# Allegro board rt1064_som_wifi.brd (continued)
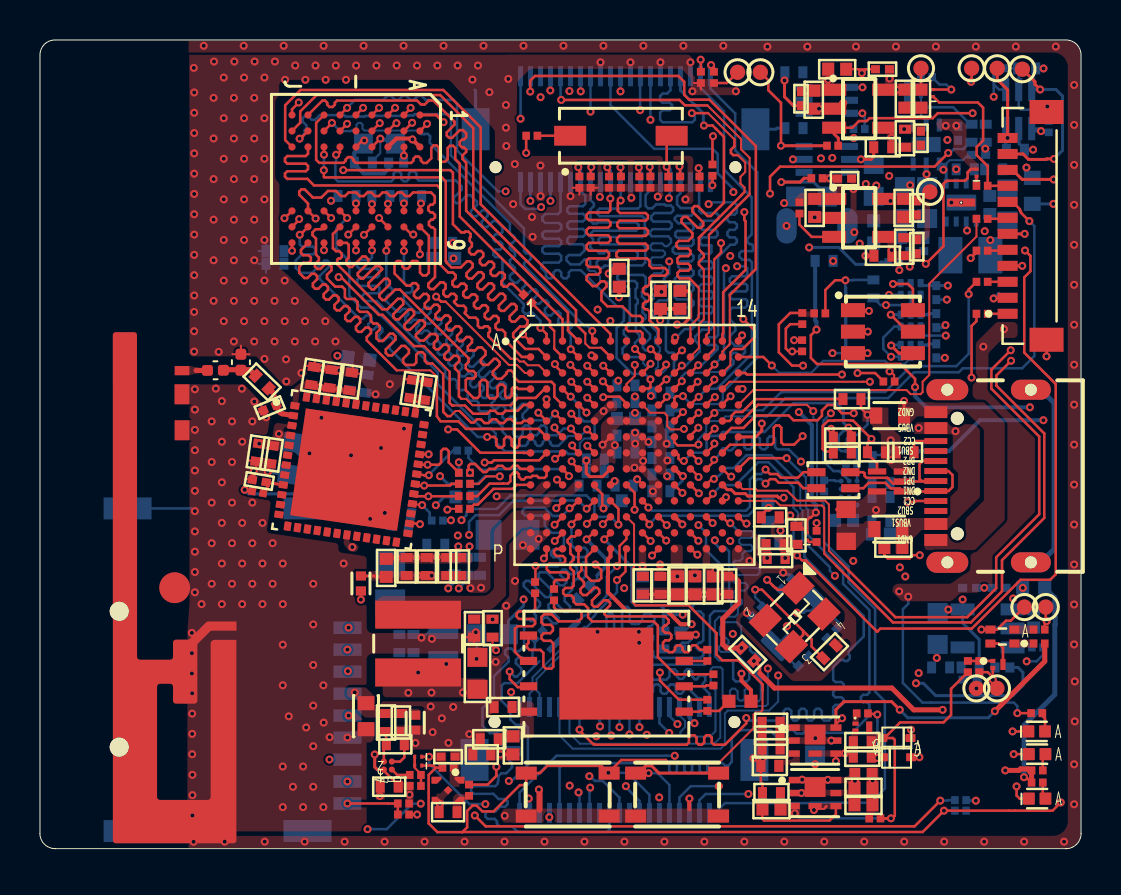
[diagram p0: board, top side]
## Footprints (pads in the part's own frame, mm; a bottom-side part is the same pattern mirrored in y, then rotated) (continued)
  rect 1.1x2.4 smd: SH1(-7.6,0.42) SH2(-7.6,9.42) SH3(8.55,9.42) SH4(8.55,0.42)
GCT_USB4105-GF-A
  round 0.65 hole 0.65 unplated: (-2.89,3.68) (2.89,3.68)
  rect 0.6x1.15 smd: 1(-3.2,4.755) 2(-2.4,4.755) 11(2.4,4.755) 12(3.2,4.755)
  rect 0.3x1.15 smd: 3(-1.75,4.755) 4(-1.25,4.755) 5(-0.75,4.755) 6(-0.25,4.755) 7(0.25,4.755) 8(0.75,4.755) 9(1.25,4.755) 10(1.75,4.755)
  oval 1x2 hole 0.6: G1(-4.32,0) G2(4.32,0)
  oval 1.05x2.1 hole 0.6: G3(-4.32,4.18) G4(4.32,4.18)
HRS_DF1730-40DS-05V57
  round 0.6 hole 0.6 unplated: (-6,-1.9) (6,-1.9)
  rect 0.25x1 smd: 1(-4.75,-2.65) 2(-4.75,2.65) 3(-4.25,-2.65) 4(-4.25,2.65) 5(-3.75,-2.65) 6(-3.75,2.65) 7(-3.25,-2.65) 8(-3.25,2.65) 9(-2.75,-2.65) 10(-2.75,2.65) 11(-2.25,-2.65) 12(-2.25,2.65) 13(-1.75,-2.65) 14(-1.75,2.65) 15(-1.25,-2.65) 16(-1.25,2.65) 17(-0.75,-2.65) 18(-0.75,2.65) 19(-0.25,-2.65) 20(-0.25,2.65) 21(0.25,-2.65) 22(0.25,2.65) 23(0.75,-2.65) 24(0.75,2.65) 25(1.25,-2.65) 26(1.25,2.65) 27(1.75,-2.65) 28(1.75,2.65) 29(2.25,-2.65) 30(2.25,2.65) 31(2.75,-2.65) 32(2.75,2.65) 33(3.25,-2.65) 34(3.25,2.65) 35(3.75,-2.65) 36(3.75,2.65) 37(4.25,-2.65) 38(4.25,2.65) 39(4.75,-2.65) 40(4.75,2.65)
  rect 1.4x2.1 smd: S1(-7,0) S2(7,0)
IND4_CHOKE_0805
  rect 0.914x0.406 smd: 1(-0.85,0.4) 2(0.85,0.4) 3(0.85,-0.4) 4(-0.85,-0.4)
IND_18A-101M
  rect 1.397x4.293 smd: 1(-1.448,0) 2(1.448,0)
IND_1608
  rect 0.61x0.813 smd: 1(-0.7,0) 2(0.7,0)
INDC2016X100N
  rect 1.2x1.82 smd: 1(-1,0) 2(1,0)
IS25WP064A-JKLE_ISI
  rect 0.864x0.406 smd: 1(-3.898,1.905) 2(-3.898,0.635) 3(-3.898,-0.635) 4(-3.898,-1.905) 5(3.898,-1.905) 6(3.898,-0.635) 7(3.898,0.635) 8(3.898,1.905)
  rect 4.699x4.597 smd: 9(0,0)
JST_SM12B-SURS-TFLFSN
  rect 0.5x1 smd: 1(-4.4,0) 2(-3.6,0) 3(-2.8,0) 4(-2,0) 5(-1.2,0) 6(-0.4,0) 7(0.4,0) 8(1.2,0) 9(2,0) 10(2.8,0) 11(3.6,0) 12(4.4,0)
  rect 1.2x1.7 smd: S1(-5.7,-1.95) S2(5.7,-1.95)
LED_XZVGMDK53W-9
  rect 0.5x0.4 smd: 1(0.6,-0.35) 2(-0.6,-0.35) 3(0.6,0.35) 4(-0.6,0.35)
LEDC1005X35N_GRN
  custom 0.59x0.61 smd: A(0.415,0) C(-0.415,0)
MICROFET6_2X2_ONS
  rect 0.55x0.32 smd: 1(-1.041,0.65) 2(-1.041,0) 3(-1.041,-0.65) 4(1.041,-0.65) 5(1.041,0) 6(1.041,0.65)
  rect 1.041x0.991 smd: 7(0,0.3)
  rect 0.66x0.305 smd: 8(0,-0.65)
MMBT3906LP
  rect 0.305x0.203 smd: 1(-0.343,0.175) 2(-0.343,-0.175)
  rect 0.305x0.559 smd: 3(0.343,0)
PQFN50P700X700X104-49N
  custom 0.45x0.35 smd: 1(-3.265,2.75) 2(-3.265,2.25) 3(-3.265,1.75) 4(-3.265,1.25) 5(-3.265,0.75) 6(-3.265,0.25) 7(-3.265,-0.25) 8(-3.265,-0.75) 9(-3.265,-1.25) 10(-3.265,-1.75) 11(-3.265,-2.25) 12(-3.265,-2.75) 25(3.265,-2.75) 26(3.265,-2.25) 27(3.265,-1.75) 28(3.265,-1.25) 29(3.265,-0.75) 30(3.265,-0.25) 31(3.265,0.25) 32(3.265,0.75) 33(3.265,1.25) 34(3.265,1.75) 35(3.265,2.25) 36(3.265,2.75)
  custom 0.35x0.45 smd: 13(-2.75,-3.265) 14(-2.25,-3.265) 15(-1.75,-3.265) 16(-1.25,-3.265) 17(-0.75,-3.265) 18(-0.25,-3.265) 19(0.25,-3.265) 20(0.75,-3.265) 21(1.25,-3.265) 22(1.75,-3.265) 23(2.25,-3.265) 24(2.75,-3.265) 37(2.75,3.265) 38(2.25,3.265) 39(1.75,3.265) 40(1.25,3.265) 41(0.75,3.265) 42(0.25,3.265) 43(-0.25,3.265) 44(-0.75,3.265) 45(-1.25,3.265) 46(-1.75,3.265) 47(-2.25,3.265) 48(-2.75,3.265)
  rect 5.4x5.4 smd: 49(0,0)
PSON50P145X100X60-6N
  custom 0.42x0.3 smd: 1(-0.29,0.5)
  custom 0.41x0.3 smd: 2(-0.295,0) 3(-0.295,-0.5) 4(0.295,-0.5) 5(0.295,0) 6(0.295,0.5)
R0201
  rect 0.38x0.4 smd: 1(-0.281,0) 2(0.281,0)
R0402
  rect 0.45x0.6 smd: 1(-0.451,0) 2(0.451,0)
R0402_SMALL
  rect 0.45x0.6 smd: 1(-0.451,0) 2(0.451,0)
R0402N
  rect 0.656x0.656 smd: 1(-0.553,0) 2(0.553,0)
SODFL1608X65N
  custom 0.5x0.4 smd: A(0.73,0) C(-0.68,0)
SOT95P282X145-5N
  rect 1.2x0.6 smd: 1(-1.25,0.95) 2(-1.25,0) 3(-1.25,-0.95) 4(1.25,-0.95) 5(1.25,0.95)
SW_CHS-01TA_NDC
  rect 0.991x1.6 smd: 1(0,2.54) 2(0,-2.54)
TDFN-6_MCH
  rect 0.66x0.254 smd: 1(-0.978,0.65) 2(-0.978,0) 3(-0.978,-0.65) 4(0.978,-0.65) 5(0.978,0) 6(0.978,0.65)
  rect 0.762x1.448 smd: 7(0,0)
TI_IFA_ANTENNA
  custom 0.461x0.736 smd: 1(10.869,0.358)
  rect 1x0.74 smd: 2(7.885,0.359) 3(9.685,0.363)
  custom 25.58x6.186 smd: 4(0.003,0.729)
TLV62084DSGR
  rect 0.5x0.25 smd: 1(-0.95,0.75) 2(-0.95,0.25) 3(-0.95,-0.25) 4(-0.95,-0.75) 5(0.95,-0.75) 6(0.95,-0.25) 7(0.95,0.25) 8(0.95,0.75)
  custom 0.4x1.4 hole 0.2: 9(0,0)
TPAD_030
  round 0.762 smd: 1(0,0)
VFBGA54_8X8
  round 0.356 smd: A1(-3.2,3.2) A2(-2.4,3.2) A3(-1.6,3.2) A7(1.6,3.2) A8(2.4,3.2) A9(3.2,3.2) B1(-3.2,2.4) B2(-2.4,2.4) B3(-1.6,2.4) B7(1.6,2.4) B8(2.4,2.4) B9(3.2,2.4) C1(-3.2,1.6) C2(-2.4,1.6) C3(-1.6,1.6) C7(1.6,1.6) C8(2.4,1.6) C9(3.2,1.6) D1(-3.2,0.8) D2(-2.4,0.8) D3(-1.6,0.8) D7(1.6,0.8) D8(2.4,0.8) D9(3.2,0.8) E1(-3.2,0) E2(-2.4,0) E3(-1.6,0) E7(1.6,0) E8(2.4,0) E9(3.2,0) F1(-3.2,-0.8) F2(-2.4,-0.8) F3(-1.6,-0.8) F7(1.6,-0.8) F8(2.4,-0.8) F9(3.2,-0.8) G1(-3.2,-1.6) G2(-2.4,-1.6) G3(-1.6,-1.6) G7(1.6,-1.6) G8(2.4,-1.6) G9(3.2,-1.6) H1(-3.2,-2.4) H2(-2.4,-2.4) H3(-1.6,-2.4) H7(1.6,-2.4) H8(2.4,-2.4) H9(3.2,-2.4) J1(-3.2,-3.2) J2(-2.4,-3.2) J3(-1.6,-3.2) J7(1.6,-3.2) J8(2.4,-3.2) J9(3.2,-3.2)
WLCSP12_0P4_1P38X1P68MM_SMDP
  round 0.254 smd: A1(-0.4,0.6) A2(0,0.6) A3(0.4,0.6) B1(-0.4,0.2) B2(0,0.2) B3(0.4,0.2) C1(-0.4,-0.2) C2(0,-0.2) C3(0.4,-0.2) D1(-0.4,-0.6) D2(0,-0.6) D3(0.4,-0.6)
WURTH_150353M153300
  rect 1.2x0.7 smd: 1(-1.5,1.075) 2(1.5,1.075) 3(-1.5,0) 4(1.5,0) 5(-1.5,-1.075) 6(1.5,-1.075)
WURTH_434133025816
  rect 1.05x0.65 smd: 1(-2.075,1.075) 2(2.075,1.075) 3(-2.075,-1.075) 4(2.075,-1.075)
X2_SMD_3_2X1_5MM
  rrect 0.762x1.524 smd: 1(-1.524,0) 2(1.524,0)
X4-SMD-3_2X2_5X1_0MM
  rect 1.321x1.067 smd: 1(-1.15,-0.925) 2(1.15,-0.925) 3(1.15,0.925) 4(-1.15,0.925)

## Nets
5V_EXT: C5.1 C6.1 C8.1 C118.1 Q2.1 Q2.2 Q2.5 Q2.6 Q2.7 R122.1 U17.1
5V_SYS: C27.1 C28.1 C116.1 C117.1 C119.1 C120.1 C125.2 C250.1 R4.1 R36.1 R82.1 R123.1 TP32.1 U4.1 U17.6(VOUT) U18.6(VOUT) U24.5(VCC)
5V_USB_HOST: C109.1 U3.P6
5V_USB_OTG: C101.1 C108.1 C122.1 C123.1 C245.1 F3.2 R115.1 U3.N6 U11.C2 U11.D1 U11.D2 U17.3 U18.1 U19.5(VCC)
5V_VIN: C22.1 C23.1 R27.2 R28.1 U26.1
GND: ANT1.2 ANT1.3(GND2) C2.2 C5.2 C6.2 C9.2 C14.2 C15.2 C16.2 C19.2 C22.2 C23.2 C24.2 C25.2 C27.2 C28.2 C29.2 C30.2 C34.2 C35.2 C36.2 C37.2 C38.2 C39.2 C40.2 C41.2 C42.2 C43.2 C44.2 C45.2 C46.2 C47.2 C48.2 C49.2 C50.2 C51.2 C52.2 C53.2 C54.2 C55.2 C56.2 C57.2 C58.2 C59.2 C60.2 C61.2 C62.2 C63.2 C64.2 C65.2 C66.2 C67.2 C68.2 C69.2 C70.2 C71.2 C72.2 C73.2 C74.2 C75.2 C76.2 C77.2 C78.2 C79.2 C80.2 C81.2 C82.2 C83.2 C84.2 C85.2 C86.2 C87.2 C88.2 C89.2 C90.2 C91.2 C92.2 C93.2 C94.2 C95.2 C96.2 C97.2 C99.2 C100.2 C101.2 C106.2 C107.2 C108.2 C109.2 C110.2 C111.2 C112.1 C113.2 C115.2 C116.2 C117.2 C118.2 C119.2 C120.2 C121.2 C122.2 C123.2 C124.2 C125.1 C126.2 C127.2 C128.2 C130.2 C131.2 C132.2 C135.2 C136.2 C141.2 C142.2 C143.2 C154.1 C159.1 C225.2 C245.2 C247.2 C248.2 C249.2 C250.2 C251.1 C252.2 C253.2 C254.2 C255.2 C256.2 C257.2 C258.2 C259.2 C260.2 C3112.2 C3113.2 D2.4(CATHODE2) D3.A D7.C(CATHODE) D14.C(CATHODE) J1.6(VSS) J1.SH1 J1.SH2 J1.SH3 J1.SH4 J4.4 J4.6 J4.10 J4.S1 J4.S2(SH1) J5.5 J5.6 J5.11 J5.12 J5.17 J5.18 J5.23 J5.24 J5.29 J5.30 J5.35 J5.36 J5.S1 J5.S2(SHIELD__1) J6.1 J6.6 J6.12 J6.18 J6.24 J6.30 J6.36 J6.S1 J6.S2(SHIELD__1) L7.1 Q4.2(S) Q5.2(S) R8.2 R11.2 R13.2 R22.2 R26.2 R30.2 R33.2 R39.2 R46.2 R51.2 R60.1 R61.1 R62.1 R63.1 R64.1 R65.1 R66.1 R67.1 R68.1 R69.1 R70.1 R71.1 R72.1 R73.1 R86.2 R109.2 R535.2 R536.2 SW1.1 SW1.2 SW2.1 SW2.2 TP33.1 TP36.1 TP37.1 TP38.1 U1.2 U1.3 U1.9 U2.2 U2.7 U3.A1 U3.A14 U3.B5 U3.B10 U3.E2 U3.E13 U3.G7 U3.G8 U3.H7 U3.H8 U3.J7 U3.J8 U3.K2 U3.K6 U3.K9 U3.K13 U3.L9 U3.N1 U3.N2 U3.N5 U3.N8 U3.P1 U3.P14 U4.2 U5.B2 U6.2 U8.3 U8.5 U9.A1 U9.A3 U9.B7 U9.C3 U9.D7 U9.E3 U9.J1 U11.B3 U11.C3 U11.D3 U16.2 U17.2 U18.2 U19.3 U20.4 U20.9 U21.3 U22.3 U23.3 U24.3 U26.2 U27.49 X1.2 X1.4
GND_EARTH: J2.G1 J2.G2 J2.G3 J2.G4
VBUS: C225.1 J2.2(VBUS#2) J2.11 L5.1
VDD_1V1_CAP: C55.1 C56.1 U3.P10
VDD_2V5_CAP: C53.1 C54.1 U3.P8
VDD_3V3_WIFI: C258.1 FB10.2 R538.2
VDD_HIGH_IN_3V3: C9.1 C51.1 C52.1 FB2.2 U3.P12
VDD_SNVS_3V3: C142.1 D11.A R42.1 R43.1 R131.2
VDD_SNVS_CAP: C57.1 C58.1 U3.M10
VDD_SNVS_IN: C59.1 R41.2 U3.M9
VDD_SOC_IN: C40.1 C41.1 C42.1 C43.1 C44.1 C45.1 C46.1 C47.1 C48.1 C49.1 C50.1 R16.1 U3.F6 U3.F7 U3.F8 U3.F9 U3.G6 U3.G9 U3.H6 U3.H9 U3.J5 U3.J9
VDD_USB_3V: C106.1 C107.1 U3.K8
VDD_WIFI: C252.1 C253.1 C254.1 C255.1 C256.1 C257.1 C259.1 C260.1 C3112.1 C3113.1 FB10.1 R537.1 U27.1 U27.3 U27.4 U27.19 U27.26(VDD_SDIO) U27.37 U27.43 U27.46
VDDA_ADC_3V3: C38.1 C39.1 C141.1 FB9.2 U3.N14
#MR: D6.A D8.A U2.5
DBG_RX: J4.12 R109.1 TP4.1 U16.3
DBG_TX: J4.11 TP5.1 U16.6
DC_5V_IN: C2.1 C247.1 C248.1 J6.7 J6.15 J6.19 J6.23 J6.27 J6.31 J6.35 Q1.1 Q1.2 Q1.5 Q1.6 Q1.7 R3.1
DC_SW_OUT: L3.1 U3.M1 U3.M2
DCDC_3V3: C14.1 C15.1 C112.2 C115.1 C126.1 C127.1 C128.1 C135.1 C136.1 D12.A FB2.1 FB4.1 FB5.1 FB9.1 J4.2 L1.2 L4.1 L12.1 R19.1 R23.1 R24.1 R27.1 R34.1 R45.1 R48.1 R49.1 R56.1 R58.1 R77.1 R83.1 R85.1 R107.1 R108.1 R128.1 R129.2 R130.2 R132.1 R538.1 TP9.1 U1.5(VOS) U2.6 U5.A1 U16.5(VCC) U21.6 U22.6 U23.6
DCDC_3V3_PG: R23.2 U1.6 U4.3
DCDC_OUT: C67.1 C68.1 C69.1 L3.2 R16.2
DCDC_PSWITCH: C74.1 R47.1 U3.K3
EN: Q5.3 R85.2 U11.A1
ENET_INT: J6.38 R113.1 U3.G13
ENET_MDC: U3.A7
ENET_MDIO: U3.C7
ENET_RST: J6.40 R111.1 U3.F14
FAULT#: R83.2 U11.A2
FB_U4: C26.2 R32.2 R33.1 U4.4
FB_U26: C21.2 R29.2 R30.1 U26.4
FLASH_D0: R100.1 U20.5
FLASH_D1: R102.1 U20.2
FLASH_D2: R103.1 U20.3(W\P\_IO2)
FLASH_D3: R104.1 U20.7
FLASH_V: C110.1 C111.1 FB8.1 U20.8
FLASH_VCC: C113.1 FB7.1 FB8.2 L11.2 R97.1
FLEXSPI_CLK: R105.1 U3.L4
FLEXSPI_DATA0: R100.2 U3.P3
FLEXSPI_DATA1: R102.2 U3.N4
FLEXSPI_DATA2: R103.2 U3.P4
FLEXSPI_DATA3: R104.2 U3.P5
FLEXSPI_SS0: R101.1 U3.L3
GPANAIO: U3.N10
GPIO_AD_B0_00: R48.2 U3.M14 U21.2
GPIO_AD_B0_02: U3.M11
GPIO_AD_B0_03: U3.G11 U22.2
GPIO_AD_B0_04: R72.2 U3.F11
GPIO_AD_B0_05: R58.2 R73.2 U3.G14
GPIO_AD_B0_14: U3.H14
GPIO_AD_B0_15: U3.L10
GPIO_AD_B1_02: U3.L11
GPIO_AD_B1_04: J6.13 U3.L12
GPIO_AD_B1_05: J6.17 U3.K12
GPIO_AD_B1_06: J6.21 U3.J12
GPIO_AD_B1_07: J6.25 U3.K10
GPIO_AD_B1_08: J6.29 U3.H13
GPIO_AD_B1_09: J6.33 U3.M13
GPIO_AD_B1_10: J6.37 U3.L13
GPIO_AD_B1_11: J6.39 U3.J13
GPIO_AD_B1_12: J6.2 U3.H12
GPIO_AD_B1_13: J6.4 U3.H11
GPIO_AD_B1_14: J6.8 U3.G12
GPIO_AD_B1_15: J6.10 U3.J14
GPIO_B0_00: J5.39 U3.D7
GPIO_B0_01: J5.37 U3.E7
GPIO_B0_02: J5.33 U3.E8
GPIO_B0_03: J5.31 U3.D8
GPIO_B0_04: J5.27 R60.2 U3.C8
GPIO_B0_05: J5.25 R61.2 U3.B8
GPIO_B0_06: J5.21 R62.2 U3.A8
GPIO_B0_07: J5.19 R63.2 U3.A9
GPIO_B0_08: J5.15 R64.2 U3.B9
GPIO_B0_09: J5.13 R65.2 U3.C9
GPIO_B0_10: J5.9 R66.2 SW3.2 U3.D9
GPIO_B0_11: J5.7 R67.2 U3.A10
GPIO_B0_12: J5.3 R68.2 U3.C10
GPIO_B0_13: J5.1 R69.2 U3.D10
GPIO_B0_14: J5.2 R70.2 U3.E10
GPIO_B0_15: J5.4 R71.2 U3.E11
GPIO_B1_00: J5.8 U3.A11
GPIO_B1_01: J5.10 U3.B11
GPIO_B1_02: J5.14 U3.C11
GPIO_B1_03: J5.16 U3.D11
GPIO_B1_04: J5.20 U3.E12
GPIO_B1_05: J5.22 U3.D12
GPIO_B1_06: J5.26 U3.C12
GPIO_B1_07: J5.28 U3.B12
GPIO_B1_08: J5.32 U3.A12
GPIO_B1_09: J5.34 U3.A13
GPIO_B1_10: J5.38 U3.B13
GPIO_B1_11: J5.40 U3.C13
GPIO_B1_14: J6.34 U3.C14
GPIO_B1_15: U3.B14 U23.2
GPIO_SD_B1_01: J6.14 U3.M5
GPIO_SD_B1_02: J6.16 U3.M3
GPIO_SD_B1_03: J6.20 U3.M4
GPIO_SD_B1_04: J6.22 U3.P2
GPIO_SD_B1_05: J6.26 U3.N3
I2C1_SCL: J6.9 U3.J11
I2C1_SDA: J6.11 U3.K11
JTAG_NTRST: J4.8 U3.G10
JTAG_TCK: R112.1 U3.F12
JTAG_TMS: R110.1 U3.E14
LDO_1V8: C21.1 C24.1 C25.1 L11.1 R29.1 TP29.1 U26.5(VOUT)
MCU_DCDC_IN_3V3: C62.1 C63.1 C64.1 C65.1 C66.1 C143.1 L12.2 R47.2 U3.K4 U3.L1 U3.L2
MCU_ON/OFF: J6.32 SW1.3 SW1.4(B2) U3.M6
NVCC_EMC: C75.1 C76.1 C77.1 FB4.2 U3.E6 U3.F5
NVCC_GPIO: C78.1 C79.1 C80.1 C81.1 FB5.2 U3.E9 U3.F10 U3.J10(NVCC_GPIO_3)
NVCC_SD: C26.1 C29.1 C30.1 C249.1 FB6.1 R32.1 R52.1 R53.1 TP30.1 U4.5(VOUT)
NVCC_SD0: C82.1 C83.1 C124.1 FB6.2 U3.J6
NVCC_SD1: C84.1 C85.1 FB7.2 U3.K5
OTG1_DN: J2.5 J2.7 L6.1 U19.1
OTG1_DP: J2.6 J2.8 L6.4 U19.2
OVR_V_FLAG: C7.2 D1.A Q2.3 Q3.3 R7.2 R10.1 R11.1 R12.1
PMIC_ON_REQ: R21.2 U3.K7
POR_B: C61.1 D10.C D13.A J6.28 R25.1 R43.2 R44.2 SW2.3 SW2.4(B2) U3.M7
RESET: C16.1 R18.2 R21.1 U1.1 U2.1
SD1_CLK: J1.5 R543.2 U27.31
SD1_CMD: J1.3 R544.2 U27.30
SD1_D0: J1.7 R542.2 U27.32
SD1_D1: J1.8 R541.2 U27.33
SD1_D2: J1.1 R540.2 U27.28
SD1_D3: J1.2 R539.2 U27.29
SD_CD_SW: R78.2 U3.D13
SD_PWREN: D9.C U3.M12
SD_VDD: C95.1 C96.1 C97.1 FB3.2 J1.4
SDRAM_3V3: C86.1 C87.1 C88.1 C89.1 C90.1 C91.1 C92.1 C93.1 C94.1 L4.2 U9.A7 U9.A9 U9.B3 U9.C7 U9.D3 U9.E7 U9.J9
SEMC_A0: U3.C2 U9.H7
SEMC_A1: U3.G1 U9.H8
SEMC_A2: U3.G3 U9.J8
SEMC_A3: U3.H1 U9.J7
SEMC_A4: U3.A6 U9.J3
SEMC_A5: U3.B6 U9.J2
SEMC_A6: U3.B1 U9.H3
SEMC_A7: U3.A5 U9.H2
SEMC_A8: U3.A4 U9.H1
SEMC_A9: U3.B2 U9.G3
SEMC_A10: U3.G2 U9.H9
SEMC_A11: U3.B4 U9.G2
SEMC_A12: U3.A3 U9.G1
SEMC_BA0: U3.C1 U9.G7
SEMC_BA1: U3.F1 U9.G8
SEMC_CAS: U3.D3 U9.F7
SEMC_CKE: U3.A2 U9.F3
SEMC_CLK: R74.1 U3.B3
SEMC_CS0: U3.E1 U9.G9
SEMC_D0: U3.E3 U9.A8
SEMC_D1: U3.F3 U9.B9
SEMC_D2: U3.F4 U9.B8
SEMC_D3: U3.G4 U9.C9
SEMC_D4: U3.F2 U9.C8
SEMC_D5: U3.G5 U9.D9
SEMC_D6: U3.H5 U9.D8
SEMC_D7: U3.H4 U9.E9
SEMC_D8: U3.C6 U9.E1
SEMC_D9: U3.C5 U9.D2
SEMC_D10: U3.D5 U9.D1
SEMC_D11: U3.C4 U9.C2
SEMC_D12: U3.D4 U9.C1
SEMC_D13: U3.E5 U9.B2
SEMC_D14: U3.C3 U9.B1
SEMC_D15: U3.E4 U9.A2
SEMC_DM0: U3.H3 U9.E8
SEMC_DM1: U3.D6 U9.F1
SEMC_DQS: U3.B7
SEMC_RAS: U3.D2 U9.F8
SEMC_WE: U3.D1 U9.F9(W\E\)
TCK: J4.3 R112.2
TDI: J4.5 R111.2
TDO: J4.1 R113.2
TMS: J4.7 R110.2
U1_SW: L1.1 U1.7
U1_VIN: C130.1 C131.1 C132.1 R18.1 R123.2 U1.8
U6_FB: C33.2 R38.2 R39.1 U6.4
U6_VIN: C34.1 C35.1 R36.2 R37.1 U6.1
UART1_RXD: R108.2 U3.L14 U16.4
UART1_TXD: R107.2 U3.K14 U16.1
USB_OTG1_DN: L6.2 U3.M8
USB_OTG1_DP: L6.3 U3.L8
USB_OTG1_ID: Q5.1 R49.2 R87.1 U3.H10
USB_OTG2_DN: J6.3 U3.N7 U24.1
USB_OTG2_DP: J6.5 U3.P7 U24.2
USER_BUTTON: R42.2 U3.L6
USER_LED: D5.C(CATHODE) U3.L5
V_BRD: C99.1 C100.1 R82.2 U11.B1 U11.B2 U11.C1(VINT3)
VFB_U1: R19.2 R22.1 U1.4
VLDO_3V3: C33.1 C36.1 C37.1 R38.1 R131.1 TP31.1 U6.5(VOUT)
VSD_3V3: C121.1 FB3.1 U5.A2(VOUT)
WDOG_B: C246.1 U3.D14
WL_EN_RST: C251.2 R537.2 U27.9
N3228024: J2.4 R87.2 R536.1 U19.4
N3228437: R86.1 U11.A3
N3229246: R97.2 R101.2 U20.1
N3229250: R105.2 U20.6
N3232179: D13.C J4.9 R106.2
N3234922: R35.2 U5.B1
N3234942: D9.A D10.A R34.2 R35.1
N3235464: J1.9 R77.2 R78.1
N3236913: R74.2 U9.F2
N3241258: R56.2 SW3.1
N3244969: R51.1 U3.F13
N3245357: R52.2 R544.1 U3.J4
N3245365: R53.2 R542.1 U3.J1
N3251546: C73.1 U3.P9 X2.2
N3251555: C72.1 U3.N9 X2.1
N3251584: C71.1 U3.N11 X1.1
N3251626: C70.1 R46.1 U3.P11 X1.3
N3251696: R44.1 U8.1
N3251712: C60.1 R45.2 U8.4(VDD)
N3253889: D11.C R41.1
N3260107: D16.6 U23.4(Y)
N3260173: D16.4 U22.4(Y)
N3260253: D16.2 U21.4(Y)
N3260286: D16.1 R128.2
N3260301: D16.3 R129.1
N3260305: D16.5 R130.1
N3260493: R37.2 U6.3
N3261743: R28.2 U26.3
N3285554: D3.C(CATHODE) R5.2 R6.1
N3285558: C7.1 D1.C(CATHODE) Q1.4 Q1.8(S2) Q2.4 Q2.8(S2) Q3.2(E) R5.1 R7.1
N3285724: C8.2 R10.2
N3285956: Q4.1 R12.2 R13.1
N3286038: D2.2 Q4.3
N3286042: D2.1 R3.2
N3286046: D2.3 R4.2
N3286190: C246.2 D8.C R26.1
N3286273: C19.1 D6.C R25.2
N3296758: R122.2 U17.5 U18.3
N3361650: C154.2 L16.1 U27.2
N3365178: J2.10 R535.1
N3365194: J2.1 J2.12 L7.2
N3384801: Q3.1 R6.2
N3447898: R539.1 U3.J2
N3448052: R540.1 U3.H2
N3448060: R541.1 U3.K1
N3448078: R543.1 U3.J3
N3454761: ANT1.1 ANT1.4 C3114.2
N3455307: C159.2 C3114.1 L16.2
N32273571: D14.A R115.2
N32274071: F3.1 L5.2
N32304790: D12.C R106.1
N32561662: Q1.3 R8.1
N32572571: D7.A R24.2
N32597351: D5.A R132.2

Pads without a net: J2 3 9; U2 3 4; U3 L7 N12 N13 P13; U8 2; U9 E2; U17 4; U18 4 5; U21 1 5; U22 1 5; U23 1 5; U24 4; U27 5 6 7 8 10 11 12 13 14 15 16 17 18 20 21 22 23 24 25 27 34 35 36 38 39 40 41 42 44 45 47 48

## Via types
v1: diameter 0.4, hole 0.2, TOP to BOTTOM, 824 vias

## Routing (per net, layer and track width the routed paths; a pad name or vN(x,y) marks a point on that pad's centre or on a via; arc(x,y) is an arc through that point)
5V_EXT:
  vias: v1(38.14,3.45) v1(38.1,2.78) v1(39.42,3.44) v1(40.72,35.57) v1(40.78,3.4)
5V_SYS: length 23.1
  TOP w0.127: TP32.1 50.33,11.43 v1(50.38,11.39) 50.28,11.29 R4.1
  TOP w0.15: R36.1 38.24,33.56 38.04,33.36 v1(37.1,33.36)
  POWER w0.3: 49.48,33.14 49.51,33.16
  BOTTOM w0.127: 42.26,19.9 42.07,19.7 R82.1 ; v1(23.46,3.39) 23.61,3.39 24.42,4.19 24.42,6.07 24.29,6.19 23.81,6.19 23.54,6.47 23.54,6.96 23.11,7.39 23.11,8.16 23.24,8.28 23.89,8.28 24.99,9.38
  BOTTOM w0.15: C120.1 39.41,32.66 38.71,33.36 v1(37.1,33.36)
  BOTTOM w0.2: v1(50.21,21.44) 47.03,21.44 45.49,19.9 42.26,19.9
  vias: v1(38.35,37.96) v1(39.08,34.55) v1(39.44,38.48) v1(39.65,34.57) v1(40.75,30.85) v1(41.02,30.28)
5V_USB_HOST: length 7.8
  TOP w0.2: v1(32.61,11.23) 32.05,11.23 31.39,11.89 29.36,11.89 28.43,12.83 28.43,14.5 28.55,14.62 U3.P6
  BOTTOM w0.127: C109.1 32.27,10.9 v1(32.61,11.23)
5V_USB_OTG: length 21.1
  TOP w0.127: R115.1 v1(48.91,6.78) ; U3.N6 28.55,15.79 v1(28.24,15.48)
  TOP w0.2: F3.2 39.89,16.98
  GND3 w0.254: 47.09,30.21 47.09,30.48
  BOTTOM w0.127: v1(43.45,12.61) 43.45,12.26 43.18,11.99 43.18,8.29 44.17,7.31 44.57,7.31 44.58,7.31 48.73,7.31 48.91,7.14 v1(48.91,6.78)
  BOTTOM w0.15: U18.1 v1(41.16,38.1) ; 31.19,11.56 31.19,12.02 31.04,12.17 29.8,12.17 29.61,12.36 29.61,12.88 29.61,12.88 29.61,13.2 29.61,13.2 29.61,14.11 v1(28.24,15.48) ; 31.19,11.56 31.34,11.71 v1(32.17,11.71) ; 31.19,11.56 C108.1
  vias: v1(34.67,10.75) v1(41.33,33.27) v1(41.85,33.19) v1(41.84,16.95) v1(43,12.88) v1(47.21,25.12) v1(48.24,26)
5V_VIN: length 5.5
  SIG1 w0.15: v1(49.38,9.38) 49.38,10.3 49.02,10.66 49.02,12.1 49.47,12.55 49.47,12.76 v1(49.18,13.05)
  BOTTOM w0.127: v1(49.38,9.38) 49.87,9.38 50.2,9.7 R28.1 50.2,10.08
  vias: v1(48.7,12.52)
GND: length 109.5
  TOP w0.102: 21.72,10.21 C74.2 21.27,10.58 ; 11.04,22.26 C154.1 ; C154.1 10.83,21.79 ; C154.1 11.31,21.61 ; 33.07,37.98 R71.1 32.72,38.32 ; C159.1 10.48,24.75 ; C159.1 9.63,24.75 ; C159.1 10.06,25.17 ; C27.2 v1(38.99,37.03) ; 10.69,18.81 C251.1 10.26,18.52 ; 13.27,24.18 C252.2 13.77,24.48 ; C250.2 40.94,39.01 ; 40.94,39.01 v1(41.13,38.81) ; 40.94,39.01 41.32,39.01 ; 26.99,32.73 R60.1 26.64,33.08 ; R72.1 v1(37.64,24.89) ; 10.4,19.44 C255.2 10.79,19 ; 15.66,24.2 C260.2 16.06,23.76 ; 27.91,33.08 R61.1 27.56,32.73 ; 19.59,14.37 19.6,14.36
  TOP w0.127: U3.N5 27.68,15.81 v1(27.35,15.48) ; v1(35.13,25.69) 34.95,25.51 U3.A14 ; v1(33.23,12.73) C51.2 C9.2 ; v1(24.17,25.74) 24.51,25.41 U3.A1 ; v1(16.23,35.44) 16.19,35.41 16.11,35.41 U9.E3 ; R11.2 36.15,3.25 36.07,3.33 R8.2 ; C53.2 C59.2 ; C59.2 31.1,12.78 31.1,12.89 ; C59.2 31.44,12.73 v1(31.45,12.74) ; D7.C 49.03,2.5 48.87,2.66 v1(48.87,3.11) ; v1(32.13,24.94) 32.08,24.94 U3.B10 ; v1(33.68,35.66) 33.65,35.63 R69.1 ; C3113.2 C257.2 18.22,23.51 18.21,23.51 ; R70.1 34.37,38.32 TP38.1 ; 30.45,20.34 30.53,20.34 30.52,20.34 30.45,20.34 ; v1(27.6,24.69) 27.67,24.69 U3.B5 ; 30.45,20.34 v1(30.45,20.36) ; 30.45,20.34 30.41,20.34 ; U9.D7 v1(16.61,32.26) ; v1(34.56,22.64) 34.39,22.47 ; 34.39,22.47 34.15,22.23 U3.E13 ; 34.39,22.47 34.39,22.46 ; 25.33,22.21 U3.E2 v1(25.35,22.49) ; U9.J1 12.61,37.01 v1(12.95,37.34) ; U5.B2 18.02,4.36 18.23,4.57 C121.2 ; v1(32.35,12.73) C56.2 31.81,12.82 31.81,12.89 ; C225.2 42.25,14.69 42.42,14.52 43.51,14.52 43.67,14.69 v1(44.03,14.69) ; C154.1 v1(11.32,21.59) ; v1(41.41,21.71) 41.08,22.04 R51.2 ; U3.G7 29.35,20.63 ; TP33.1 46.62,38.4 v1(46.6,38.38) ; v1(47.68,8.45) 47.68,8.45 Q4.2 ; v1(47.68,8.45) 47.89,8.24 TP36.1 ; v1(47.68,8.45) 47.68,8.58 47.43,8.83 R13.2 ; C30.2 41.32,39.01 v1(41.13,38.81) ; D3.A v1(44,4.57) ; U3.N8 v1(30.56,15.4) ; 47.56,10.97 47.9,10.97 48.34,11.41 48.58,11.41 TP37.1 ; U9.B7 v1(18.21,32.3) ; R73.1 37.54,26.25 37.32,26.03 37.32,25.03 37.45,24.9 37.62,24.9 v1(37.64,24.89) ; D14.C v1(48.67,5.87) ; C78.2 v1(31.1,27.87)
  TOP w0.13: 47.56,10.97 v1(47.11,10.97)
  TOP w0.147: 32.24,10.68 32.19,10.68 ; 32.24,10.68 32.67,10.68 32.7,10.71 v1(32.82,10.71) ; 32.24,10.68 U20.4
  TOP w0.15: J4.4 v1(49.15,29.17) ; C28.2 37.7,37.18 37.26,37.63 v1(37.26,38.45) ; v1(50.73,33.49) 49.15,33.49 48.67,33.97 J4.10 ; U3.K6 28.55,18.25 28.7,18.4 v1(28.76,18.4) ; v1(41.08,34.5) 41.59,34.5 41.72,34.63 R33.2 ; J4.6 v1(49.27,30.77) ; U4.2 39.91,37.03 v1(40.19,37.32) ; v1(41.31,29.67) 41.37,29.67 41.38,29.68 R39.2 ; U9.A1 19.84,36.72 v1(20.19,36.36) ; v1(37.21,17.56) 36.97,17.56 36.89,17.64 35.42,17.64 35.3,17.77 34.79,17.77 34.59,17.97 34.39,17.97 U3.K13 ; J4.S1 v1(50.37,24.64)
  TOP w0.2: 32.49,1.97 32.49,2.5 v1(32.5,2.51) ; U9.A3 v1(18.64,35.5) 18.59,35.54 17.83,35.54 U9.C3
  TOP w0.254: C251.1 v1(10.7,18.9)
  TOP w0.3: v1(24.97,2.96) 25,2.93 25,1.95
  GND1 w0.102: v1(46.1,32.34) 47.03,32.34 ; v1(46.1,32.34) 45.17,32.34 ; v1(46.1,32.34) 46.1,31.76 ; v1(46.1,32.34) 46.1,32.92
  SIG1 w0.127: v1(35.38,11.8) 35.41,11.8 35.51,11.89
  BOTTOM w0.102: 19.4,10.8 19.44,10.84 19.88,10.84 C69.2 ; 12.33,18.13 C253.2 11.78,18.85 ; 10.93,29.28 C94.2 11.31,28.82 ; C92.2 16.61,32.27 v1(16.61,32.26) ; 11.31,30.36 C91.2 10.93,29.9 ; v1(17.85,14.55) 17.39,14.55 17.32,14.48 17.32,14.32 17.43,14.22 C66.2 ; 19.34,10.71 19.3,10.71 19.14,10.56 v1(19.09,10.56) ; C106.2 21.85,10.08 21.85,10.08 v1(21.85,9.5) ; v1(18.21,32.3) 18.21,32.34 18.2,32.35 C93.2 ; C72.2 39.31,10.45
  BOTTOM w0.127: 37.67,13.55 37.5,13.72 37.37,13.72 37.28,13.81 v1(37.19,13.81) ; v1(32.82,10.71) 32.57,10.46 32.57,10.45 32.43,10.31 32.15,10.31 32.04,10.2 C109.2 ; J5.18 v1(29.55,39.36) ; U21.3 v1(42.49,27.72) ; v1(35.38,11.8) 35.38,11.72 35.57,11.53 ; C75.2 v1(29.78,21.81) 29.78,21.82 29.77,21.82 ; v1(27.9,10.85) 27.45,10.4 U24.3 ; U23.3 v1(42.59,24.62) 42.2,25.01 42.2,25.58 42.76,26.13 43.07,26.13 ; C46.2 21.29,13.57 21.29,13.36 21.21,13.28 21.21,13.27 v1(20.96,13.02) ; C112.1 v1(50.22,39.05) ; C136.2 v1(45.28,24.56) ; C125.1 27.88,13.47 27.88,13.68 ; 4.39,17.03 7.75,17.03 7.76,17.02 ; C19.2 43.43,37.33 v1(43.68,37.08) ; C120.2 37.56,32.63 v1(37.24,32.31) ; v1(14.56,32.43) 14.8,32.66 C89.2 ; C77.2 v1(29.78,22.63) ; J5.24 v1(28.05,39.36) ; C258.2 v1(16.8,22.74) ; Q5.2 40.38,20.52 40.56,20.7 40.88,20.7 41.41,21.23 v1(41.41,21.71) ; C88.2 v1(20.67,30.32)
  BOTTOM w0.15: C127.2 45.18,26.08 v1(45.31,26.2) ; 20.74,13.86 20.75,13.86 20.75,13.35 v1(20.43,13.03) ; J5.S1 36.83,36.01 36.88,36.06 C117.2 ; C107.2 28.76,18.2 v1(28.76,18.4) ; C128.2 v1(45.38,27.48) ; v1(49.7,34.98) R109.2 49.26,35.01 49,35.28 49,36.02 U16.2 ; 21.75,37.97 21.8,37.92 J5.S2 ; v1(44.88,9.54) 44.88,10.41 44.92,10.37 C24.2 ; C132.2 v1(43.53,29.12) ; C14.2 v1(50.71,32.27) ; C118.2 v1(38.79,4.22) ; v1(37.26,38.45) 37.27,38.46 C116.2 ; v1(31.45,12.74) 31.44,12.73 C54.2
  BOTTOM w0.17: C82.2 28.23,19.47 C124.2
  BOTTOM w0.18: 27.88,13.68 28.32,14.12 28.32,14.51 v1(27.35,15.48)
  BOTTOM w0.2: C86.2 15.73,34.83 C90.2 15.73,34.26 16.19,33.8 17.22,33.8 17.45,34.03 17.45,34.34 C87.2 ; U26.2 47.56,11.02 47.5,10.97 v1(47.11,10.97)
  BOTTOM w0.254: C253.2 11.68,18.87 v1(11.4,18.87)
  vias: v1(7.6,10.8) v1(7.6,9.78) v1(7.6,8.77) v1(7.62,7.77) v1(7.62,6.76) v1(7.62,5.74) v1(7.62,4.73) v1(7.63,3.69) v1(7.63,2.68) v1(7.63,1.66) v1(7.7,39.08) v1(7.72,37.85) v1(7.72,36.83) v1(7.72,35.81) v1(7.72,34.8) v1(7.72,33.78) v1(7.72,32.77) v1(7.72,31.75) v1(7.72,30.73) v1(7.72,29.72) v1(7.72,28.7) v1(7.72,27.69) v1(7.71,26.86) v1(7.71,25.9) v1(7.71,24.88) v1(7.75,22.99) v1(7.75,21.97) v1(7.75,20.96) v1(7.75,19.94) v1(7.75,18.93) v1(7.75,17.91) v1(7.75,16.89) v1(7.75,15.88) v1(7.75,14.86) v1(7.75,13.85) v1(7.75,12.83) v1(7.69,0.34) v1(8.09,12.24) v1(8.2,40.18) v1(8.59,21.38) v1(8.59,19.35) v1(8.59,17.32) v1(8.59,15.29) v1(8.59,13.25) v1(8.71,39.39) v1(8.69,37.58) v1(8.69,35.54) v1(8.69,33.51) v1(8.69,31.48) v1(8.69,29.45) v1(8.69,27.42) v1(8.8,23.02) v1(8.94,24.86) v1(9.1,22.4) v1(9.1,20.37) v1(9.1,18.33) v1(9.1,16.3) v1(9.1,14.27) v1(9.1,12.24) v1(9.2,38.59) v1(9.2,36.56) v1(9.2,34.53) v1(9.2,32.5) v1(9.2,30.46) v1(9.2,28.43) v1(9.2,26.4) v1(9.25,0.35) v1(9.61,21.38) v1(9.61,19.35) v1(9.61,17.32) v1(9.61,15.29) v1(9.61,13.25) v1(9.72,39.39) v1(9.71,37.58) v1(9.71,35.54) v1(9.71,33.51) v1(9.71,31.48) v1(9.71,29.45) v1(9.71,27.42) v1(9.71,25.38) v1(10.11,23.02) v1(10.12,20.37) v1(10.12,16.3) v1(10.12,14.27) v1(10.12,12.24) v1(10.2,40.18) v1(10.21,38.59) v1(10.21,36.56) v1(10.21,34.53) v1(10.21,32.5) v1(10.21,30.46) v1(10.21,28.43) v1(10.21,26.4) v1(10.63,21.38) v1(10.63,17.32) v1(10.63,15.29) v1(10.63,13.25) v1(10.74,39.39) v1(10.72,37.58) v1(10.72,35.54) v1(10.72,33.51) v1(10.72,31.48) v1(10.72,29.45) v1(10.72,27.42) v1(10.72,25.38) v1(10.73,22.38) v1(11.13,16.3) v1(11.13,14.27) v1(11.13,12.24) v1(11.23,38.59) v1(11.23,36.56) v1(11.23,34.53) v1(11.23,32.5) v1(11.23,30.46) v1(11.23,28.43) v1(11.23,26.4) v1(11.23,24.51) v1(11.25,0.35) v1(11.64,15.29) v1(11.64,13.25) v1(11.76,39.39) v1(11.74,27.42) v1(11.74,25.38) v1(12.15,14.27) v1(12.15,12.24) v1(12.15,10.21) v1(12.15,8.17) v1(12.15,4.11) v1(12.15,2.08) v1(12.2,40.18) v1(12.26,38.48) v1(12.25,28.43) v1(12.25,26.4) v1(12.31,24.49) v1(12.33,23.38) v1(12.45,6.62) v1(12.66,3.09) v1(12.75,27.42) v1(12.75,25.38) v1(12.77,39.19) v1(13.08,23.81) v1(13.17,4.11) v1(13.17,2.08) v1(13.26,26.4) v1(13.25,0.35) v1(13.28,38.48) v1(13.32,6.06) v1(13.49,19.78) v1(13.67,13.25) v1(13.67,11.22) v1(13.67,9.19) v1(13.67,7.16) v1(13.67,5.13) v1(13.67,3.09) v1(13.79,39.19) v1(13.77,25.38) v1(14.14,24.05) v1(14.08,21.56) v1(14.2,40.18) v1(14.18,8.17) v1(14.2,6.31) v1(14.18,2.08) v1(14.3,38.48) v1(14.28,26.4) v1(14.49,5.58) v1(14.81,39.19) v1(14.79,25.38) v1(14.98,23.93) v1(15.2,14.27) v1(15.25,0.35) v1(15.31,38.48) v1(15.39,5.56) v1(15.57,19.68) v1(15.82,39.19) v1(16.2,40.18) v1(16.52,16.5) v1(16.84,39.19) v1(17.07,20.05) v1(17.01,2.63) v1(17.26,16.8) v1(17.25,0.35) v1(17.51,23.25) v1(17.85,39.19) v1(18.2,40.18) v1(18.21,21.02) v1(18.87,39.19) v1(18.85,14.57) v1(18.79,5.29) v1(19.25,0.35) v1(19.55,7.11) v1(19.61,10.5) v1(19.65,5.83) v1(19.86,14.59) v1(19.88,39.19) v1(20.02,2.25) v1(20.11,6.52) v1(20.2,40.18) v1(20.44,5.29) v1(20.68,7.09) v1(20.9,39.19) v1(21.25,0.35) v1(21.49,5.73) v1(21.64,38.49) v1(21.81,10.83) v1(21.92,39.19) v1(22.2,40.18) v1(22.49,37.86) v1(22.85,17.63) v1(22.81,9.35) v1(23.26,1.65) v1(23.25,0.35) v1(23.32,37.22) v1(23.32,36.08) v1(23.34,35.17) v1(23.33,12.16) v1(23.44,38.52) v1(23.58,7.84) v1(23.76,34.26) v1(23.68,32.26) v1(23.77,13.4) v1(24.16,15.2) v1(24.2,40.18) v1(24.62,31.61) v1(24.65,30.62) v1(24.95,15.5) v1(25.05,37.61) v1(25.04,34.19) v1(25.05,32.66) v1(25.25,0.35) v1(26.2,40.18) v1(26.5,37.92) v1(26.55,32.66) v1(26.51,3.15) v1(27.25,0.35) v1(28.02,32.62) v1(28.2,40.18) v1(29.24,13.04) v1(29.25,0.35) v1(29.59,32.57) v1(29.75,19.07) v1(29.78,20.82) v1(29.78,20.27) v1(29.97,10.85) v1(29.98,10.3) v1(30.2,40.18) v1(30.18,19.41) v1(30.57,22.65) v1(30.67,17.88) v1(30.92,32.63) v1(31.05,39.36) v1(30.99,2.56) v1(31.25,0.35) v1(32.2,40.18) v1(32.3,32.5) v1(32.55,39.36) v1(32.65,37.91) v1(33.25,0.35) v1(34.2,40.18) v1(34.54,29.66) v1(34.54,15.4) v1(34.82,37.91) v1(35.25,0.35) v1(35.51,14.4) v1(35.7,4.52) v1(36.16,4.53) v1(36.4,40.14) v1(37.25,0.35) v1(37.36,31.17) v1(37.29,14.55) v1(38.4,40.14) v1(38.77,31.59) v1(39.25,0.35) v1(40.71,33.01) v1(40.7,14.4) v1(40.83,40.14) v1(41.25,0.35) v1(41.67,3.42) v1(42.5,33.67) v1(42.57,20.44) v1(42.59,19.45) v1(42.83,40.14) v1(43.25,0.35) v1(43.54,33.21) v1(44.37,33.76) v1(44.83,40.14) v1(45.25,0.35) v1(45.41,35.47) v1(45.61,32.34) v1(45.85,34) v1(46.83,40.14) v1(47.25,13.06) v1(47.25,0.35) v1(47.3,35.03) v1(48.83,40.14) v1(49.25,0.35) v1(50.41,37.14) v1(50.83,40.14) v1(51.25,0.35) v1(51.75,38.22) v1(51.75,36.22) v1(51.75,34.22) v1(51.75,32.22) v1(51.75,30.22) v1(51.75,28.22) v1(51.75,26.22) v1(51.75,24.22) v1(51.75,22.22) v1(51.75,20.22) v1(51.75,18.22) v1(51.75,16.22) v1(51.75,14.22) v1(51.75,12.22) v1(51.75,10.22) v1(51.75,4.22) v1(51.75,2.22) v1(51.78,8.37) v1(51.78,6.37)
